# Allegro board RK_EVB7_RK3588_LP4XD200P232SD8_V11_20230111YWQ.brd (continued)
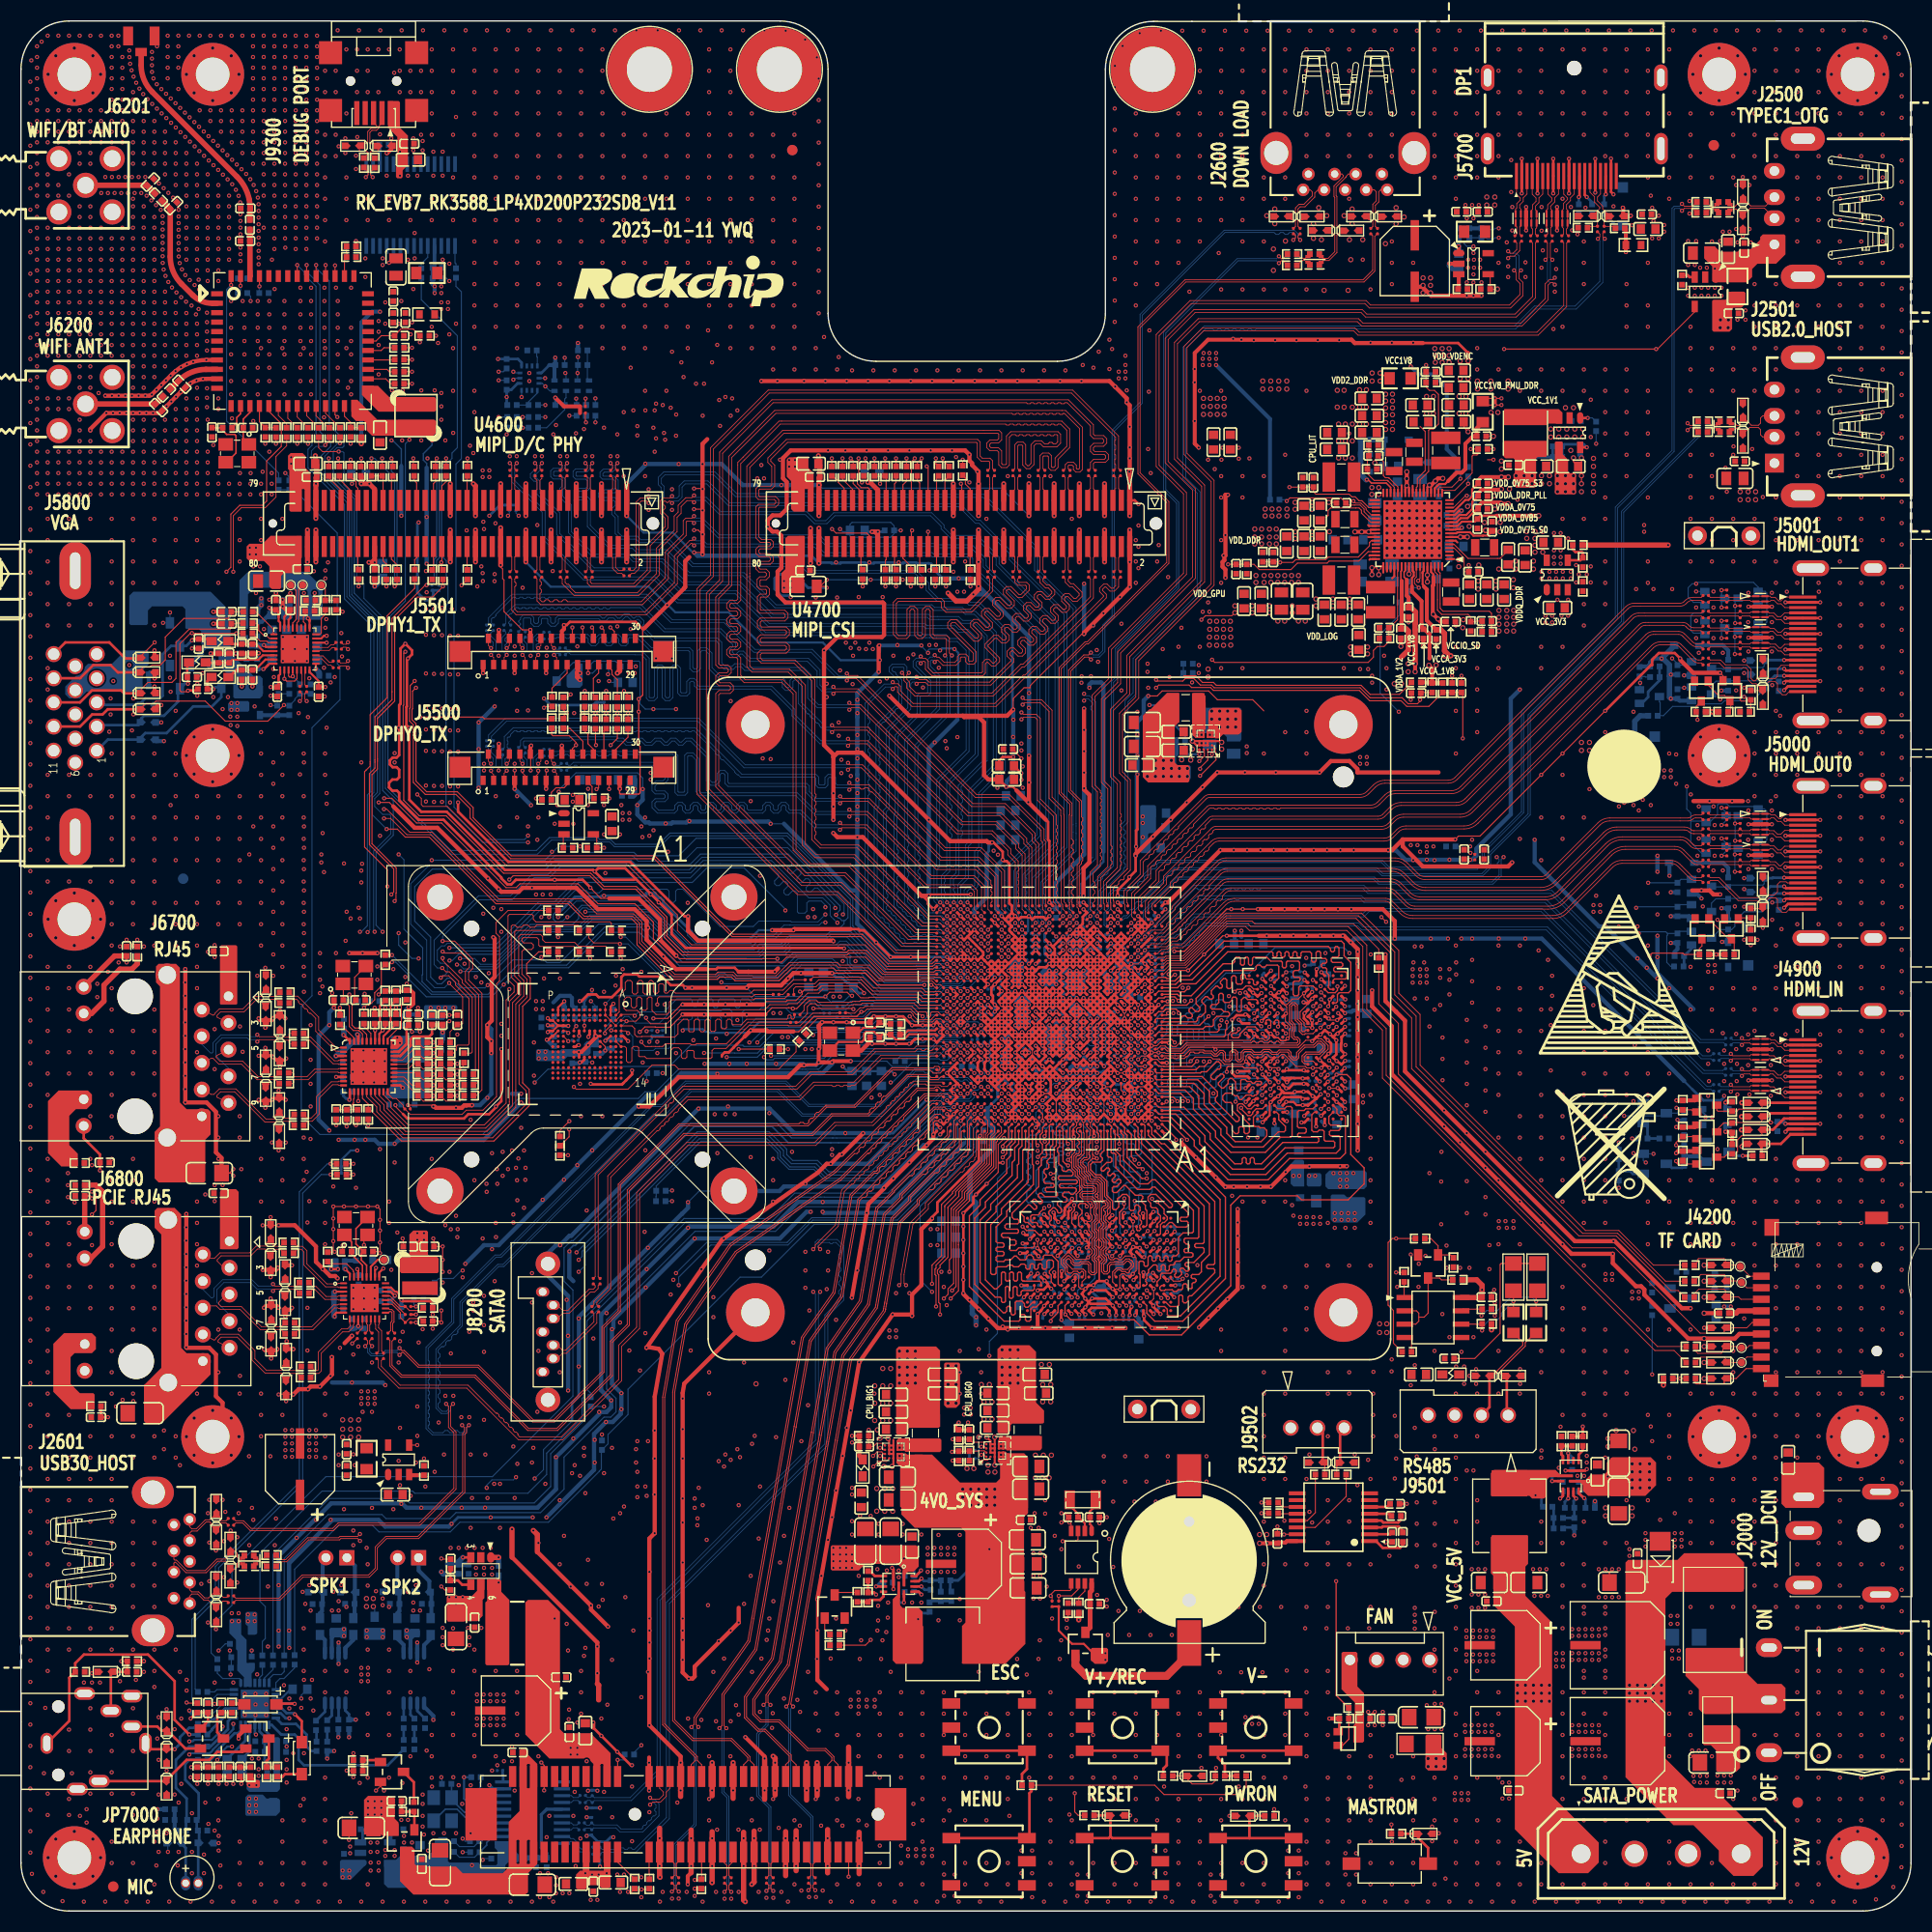
[diagram p0: board, top side]
## Routing (per net, layer and track width the routed paths; a pad name or vN(x,y) marks a point on that pad's centre or on a via; arc(x,y) is an arc through that point) (continued)
VCC1V8_DAC_VDDAC: length 4
  TOP w0.203: U5800.4 23.31,120.39 v1(23.14,120.56)
  BOTTOM w0.381: C5820.1 22.57,120.56 v1(23.14,120.56) 23.84,120.56 C5819.1
  BOTTOM w0.508: FB5801.2 21.77,120.49 C5820.1
VCC1V8_PMU_DDR_S3: length 271.4
  TOP w0.104: R2211.1 130.07,145.96 129.57,146.47 v2(129.44,146.47) ; v1(141,144.06) v1(140.36,144.06) 139.49,144.06 R2210.1 139.58,143.42 v1(140.36,143.42) v1(141,143.42)
  TOP w0.254: U3801.G4 v1(105.26,63.24) ; U3800.F1 v1(116.65,86.15) ; U3801.U12 99.06,57.14 99.06,56.33 v1(99.09,56.3) ; U3800.G4 v1(119.68,85.49) ; U3800.T9 123.37,79.33 v1(123.69,79) ; v1(91.44,81.75) U1000.N28 ; v1(100.1,67.83) 100.1,67.63 99.42,66.94 99.42,66.76 99.39,66.74 99.39,66.27 U3801.U1 ; v1(126.1,78.34) U3800.U12 ; v1(106.12,56.76) 106.25,56.89 U3801.F12 ; v1(105.92,66.31) U3801.F1 ; U3800.F12 125.77,85.83 v1(126.09,85.5) ; U3800.T4 v1(119.76,78.93) ; U3800.U1 116.65,78.36 v1(116.62,78.36) ; v1(99.35,63.16) 99.35,63.18 U3801.T4 ; v1(123.79,85.55) 123.74,85.55 U3800.G9 ; U3801.T9 v1(99.37,59.2) ; v1(91.44,83.7) U1000.R27 ; v1(105.97,59.2) U3801.G9
  TOP w0.381: v1(140.36,143.42) v1(140.36,144.06)
  TOP w0.508: R4203.2 v1(156.42,50.08)
  L3-POWER1 w0.089: 123.98,85.26 123.79,85.45 v1(123.79,85.55)
  L3-POWER1 w0.104: v2(149.38,111.29) v2(148.62,110.53)
  L3-POWER1 w0.508: v1(73.05,83.23) v1(72.49,83.23)
  L3-POWER1 w0.762: v1(72.49,83.23) 72.29,83.02 72.29,81.84 72.67,81.46 72.67,76.11 68.16,71.6 66.89,71.6 65.05,69.76 65.05,63.92 65.68,63.29 65.68,60.49 65.05,59.86 65.05,54.14 66.45,52.75 66.45,44.11 v1(67.08,43.47) v1(67.59,42.97) ; 149.38,113.32 v2(149.38,111.29) v2(149.38,110.53) 149.38,108.12 147.67,106.41 147.67,96.38 146.58,95.29 146.58,78.61 145.95,77.98 145.95,48.81 139.09,41.95 v1(138.33,41.95) v1(137.69,41.95)
  L6-S2 w0.086: v1(91.44,81.75) 91.12,82.08 91.12,82.6 91.08,82.63
  L6-S2 w0.152: 87.66,82.59 87.84,82.77 89.64,82.77
  L6-S2 w0.178: 90.94,82.77 90.76,82.77 90.75,82.78 90.75,82.77 89.65,82.77 ; 87.66,82.59 87.53,82.46
  L6-S2 w0.381: 87.53,82.46 85.62,82.46 84.98,83.11 84.34,83.11 84.11,83.34 80.74,83.34 80.6,83.2 77.11,83.2 76.77,82.85 73.43,82.85 v1(73.05,83.23) v1(72.49,83.23)
  L6-S2 w0.762: v1(156.42,50.08) 154.97,50.08 149.83,44.94 143.6,44.94 140.61,41.95 v1(138.33,41.95) v1(137.69,41.95) 137.57,42.08 95.91,42.08 94.89,41.06 93.19,41.06 93.06,40.94 92.43,40.94 92.43,40.94 91.78,40.94 91.66,41.06 80.54,41.06 80.42,41.19 74.26,41.19 72.99,42.46 68.1,42.46 v1(67.59,42.97) v1(67.08,43.47)
  BOTTOM w0.089: v1(91.44,81.75) 91.12,82.08 91.12,82.59 91.08,82.63 C1107.1
  BOTTOM w0.254: C3802.1 119.65,85.1 119.65,85.46 v1(119.68,85.49) ; v1(116.62,78.36) 116.59,78.4 C3804.1 ; v1(99.37,59.2) 99.59,58.97 C3849.1 ; C3848.1 106.1,66.49 v1(105.92,66.31) ; v1(123.69,79) 123.29,79 C3805.1 ; v1(105.97,59.2) 106.1,59.32 C3851.1 ; v1(126.09,85.5) 126.14,85.5 126.28,85.64 C3803.1 ; v1(126.1,78.34) 126.52,78.34 C3800.1 ; C3850.1 99.35,62.85 v1(99.35,63.16) ; C3845.1 99.4,55.99 v1(99.09,56.3) ; v1(123.79,85.55) 123.69,85.55 C3808.1 ; C3847.1 105.18,63.17 v1(105.26,63.24) ; v1(106.12,56.76) 106.12,57.06 C3853.1 ; v1(100.1,67.83) 99.95,67.68 C3852.1 ; C3807.1 119.76,79.03 v1(119.76,78.93) ; C1112.1 91.45,83.7 v1(91.44,83.7) 91.08,83.34 C1107.1 ; C3806.1 v1(116.65,86.15)
  BOTTOM w0.381: C3801.1 127.85,85.77 126.85,85.77 126.73,85.64 C3803.1 ; v1(106.12,56.76) 106.45,56.42 C3846.1
  vias: v1(127.53,109.9) v1(127.53,109.26) v1(128.17,109.9) v1(128.17,109.26) v2(128.68,146.47) v2(128.68,145.71) v2(129.44,145.71) v2(148.62,111.29)
VCC1V8_RX_AVCC: length 5.2
  TOP w0.203: v1(28.08,118.28) U5800.17 ; v1(29.11,120.79) U5800.22
  L6-S2 w0.508: v1(28.08,118.28) 28.08,119.76 v1(29.11,120.79)
  BOTTOM w0.508: C5818.1 28.4,117.96 v1(28.08,118.28)
VCC1V8_RX_IVDD: length 15.3
  TOP w0.203: 24.54,117.64 24.68,117.79 U5800.9 ; U5800.16 27.48,118 28.35,117.13 C5813.1 ; U5800.30 25.48,122.98 25.65,123.15 25.65,123.71 ; 25.65,123.71 25.53,123.71 25.08,123.27 U5800.31 ; 25.65,123.71 C5814.1
  TOP w0.254: 24.54,117.64 24.54,116.7 C5815.1 v1(23.77,116.57) ; v1(28.98,116.57) C5813.1
  TOP w0.381: C5814.1 25.24,123.92 v1(24.92,124.25) v1(24.92,124.88)
  L6-S2 w0.381: v1(28.98,116.57) v1(23.77,116.57)
VCC3V3_FT232: length 1.8
  BOTTOM w0.305: C9302.1 34.18,168.12 U9300.17
VCC3V3_LCD: length 1.8
  TOP w0.457: v1(53.24,117.26) 52.98,117.52 52.98,117.9 ; v1(53.24,117.9) 52.98,117.9 52.98,117.9 ; 52.98,117.9 53.01,117.92 J5501.19
  vias: v1(52.55,106.29) v1(52.55,105.65)
VCC3V3_PCIE30: length 18.4
  TOP w0.635: U8100.B8 53.82,3.67 v1(53.75,3.6) ; U8100.B10 55.82,3.64
  L6-S2 w0.762: v1(50.83,27.85) 48.42,30.26 43.6,30.26 41.55,32.3 v1(40.03,32.3)
  BOTTOM w0.508: R8120.1 C8126.1 40.23,32.1 v1(40.03,32.3)
  vias: v1(52.35,15.53) v1(52.35,14.9) v1(52.98,15.53) v1(52.98,14.9) v1(54.38,3.47) v1(55.02,3.47) v1(55.78,3.6)
VCC3V3_PHY0: length 16
  TOP w0.254: C6716.1 36.73,84.18 36.73,82.59 36.63,82.49 36.63,82.47 35.99,81.84 35.97,81.84 35.97,81.83 U6700.29 ; R6720.2 36.65,87.61 36.29,87.61 36.28,87.61 R6715.1 R6717.1 ; v1(30.72,83.44) U6700.40 ; U6700.11 31.32,77.31 v1(31.27,77.26) ; R6733.1 v1(30.02,74.83)
  TOP w0.381: C6716.1 C6715.1 36.91,85.95 ; 36.91,85.95 v1(36.91,86.09) ; 36.91,85.95 37.36,86.4 37.36,87.42 37.09,87.69 R6720.2
  BOTTOM w0.254: v1(31.27,77.26) 31.14,77.38 30.94,77.38 30.69,77.64 C6712.1
  BOTTOM w0.381: v1(36.91,86.09) 36.66,85.83 36.66,85.38 C6710.1 36.49,85.2 36.67,85.38 37.73,85.38
  BOTTOM w0.508: C6711.1 30.76,83.48 v1(30.72,83.44)
VCC3V3_PHY1: length 60.9
  TOP w0.203: v1(30.89,61.13) 31.32,60.7 U6800.32 ; U6800.11 v1(32.12,55.71) ; v1(36.22,58.21) 36.19,58.21 35.99,58.41 35.99,58.77 35.77,58.99 35.62,58.99 35.22,59.38 U6800.23 ; R6808.2 v1(37.62,56.81)
  TOP w0.254: R6811.2 39.21,57.83 38.96,58.08 36.35,58.08 v1(36.22,58.21)
  L6-S2 w0.305: 28.22,55.79 28.22,58.96 29,59.74 30.36,59.74 30.89,60.27 v1(30.89,61.13)
  L6-S2 w0.508: v1(30.89,61.13) 31.9,60.11 35.33,60.11 36.35,59.1 36.35,58.33 v1(36.22,58.21) ; v1(32.12,55.71) 32.03,55.79 23.27,55.79 22.56,55.09 22.56,53.64 16.49,47.58 10.98,47.58 9.86,46.45 8.04,46.45 6.07,48.42 J6800.14
  BOTTOM w0.381: 30.91,61.13 v1(30.89,61.13) ; C6812.1 30.89,61.95 R6810.2 ; C6815.1 v1(36.22,58.21) ; C6813.1 31.88,55.47 v1(32.12,55.71) 32.35,55.47 C6814.1
  BOTTOM w0.508: R6810.2 30.83,61.21 30.91,61.13
VCC3V3_PI6C_05: length 14.1
  L3-POWER1 w0.381: v1(42.19,12.74) 43.08,12.74 43.46,12.36 43.46,6.64 42.95,6.14 v1(42.95,4.36)
  BOTTOM w0.203: R8131.1 v1(42.19,12.74) 42.19,10.71 42.47,10.43 R8128.1
  BOTTOM w0.254: R8113.1 R8110.1
VCC3V3_SD_S0: length 3.8
  TOP w0.508: J4200.4 163.57,57.16 163.35,56.94 162.65,56.94 C4202.1
  BOTTOM w0.381: v1(162.84,57.57) v1(162.2,57.57)
VCC3V3_VGA: length 14.6
  TOP w0.203: 24.54,123.23 24.54,122.85 24.68,122.7 U5800.32 ; v1(29.11,121.45) 28.85,121.45 28.59,121.19 U5800.23 ; U5800.8 23.65,118.79 23.52,118.66
  TOP w0.254: 23.52,118.66 23.14,118.28 v1(23.08,118.28) ; v1(23.65,124.12) 23.84,123.92 C5804.1 24.54,123.67 24.54,123.23
  L3-POWER1 w0.508: v1(23.65,124.12) 23.66,124.11
  L6-S2 w0.381: v1(29.11,121.45) 28.22,121.45 27.71,121.96 25.81,121.96 v1(23.65,124.12)
  BOTTOM w0.254: v1(23.08,118.28) 22.56,118.28 C5805.1
  BOTTOM w0.381: v1(23.65,124.12) 23.9,123.87 C5803.1 23.59,123.42 22.94,122.78 R5803.2
VCC4V0_SYS: length 35.1
  TOP w0.089: v2(129.31,127.27) v2(129.31,127.93) 128.71,127.93 128.7,127.93 v2(128.66,127.93)
  TOP w0.203: v2(133.94,126.58) v2(133.94,127.24) U2200.64 ; U2303.E1 113.43,112.72 113.4,112.75 113.03,112.38 U2303.E2 ; U2303.E1 113.8,112.22 113.84,112.18 ; U2303.E1 U2303.D1 ; U2303.E1 U2303.E2 ; v2(129.31,127.93) 129.44,128.06 U2200.52 129.74,127.47 ; U2301.D1 U2301.E1 ; U2301.D1 83.48,42.73 ; U2301.D1 U2301.D2 U2301.E2 ; U2301.E1 U2301.E2 ; U2301.E1 84.32,43.13 ; U2301.E1 83.88,42.75 ; U2200.53 130.09,127.57 ; U2200.28 131.84,135.61 v2(131.98,135.75) 132.19,135.54 U2200.27 ; U2300.E1 U2300.E2 ; U2300.E1 93.54,42.88 ; U2300.E1 93.84,43.26 ; U2300.E1 U2300.D1 ; U2300.E2 U2300.D2 U2300.D1 ; U2300.E2 93.7,43.66 93.88,43.47 94.01,43.47 ; U2301.E2 83.94,43.47 84.23,43.47 84.35,43.35 ; U2200.1 136.48,128.76 ; U2303.D1 113.73,111.82 113.84,111.93 ; U2303.D1 U2303.D2 U2303.E2 ; U2200.43 128.56,131.56 v2(128.35,131.35) 128.49,131.21 U2200.44 ; U2300.D1 93.14,42.86 ; U2200.54 130.44,127.56 ; v2(137.09,130.86) U2200.7 ; U2200.21 134.29,135.65 v2(134.14,135.8) 133.94,135.61 U2200.22
  TOP w0.254: U2000.5 v1(81.44,30.91) ; v2(128.66,127.28) v2(128.66,127.93)
  TOP w0.381: v2(131.98,135.75) v2(131.98,136.41) v2(131.98,137.07) ; v2(134.14,135.8) 134.32,135.8 v2(134.7,136.18) 134.95,136.44 v2(135.41,136.44) ; v2(137.74,130.86) v2(137.09,130.86) ; v2(127.03,131.35) v2(127.69,131.35) v2(128.35,131.35)
  BOTTOM w0.104: v2(129.31,134.91) v2(129.31,135.57)
  BOTTOM w0.254: v1(92.23,34.46) 89.26,31.49 R2005.1 88.5,30.53 C2009.2 ; C2016.1 81.81,31.28 v1(81.44,30.91)
  vias: v1(30.63,3.85) v1(30.63,3.22) v1(31.27,3.85) v1(31.27,3.22) v1(84.48,5.88) v1(84.48,5.25) v1(85.24,5.88) v1(85.24,5.25) v1(86,5.88) v1(86,5.25) v1(86.77,5.88) v1(86.77,5.25) v2(89.69,40.17) v2(89.69,39.41) v2(89.69,38.65) v2(90.45,40.17) v2(90.45,39.41) v2(90.45,38.65) v2(91.21,40.17) v2(91.21,39.41) v2(91.21,38.65) v2(91.97,40.17) v2(91.97,39.41) v2(91.97,38.65) v2(92.74,40.17) v2(92.74,39.41) v2(92.74,38.65) v2(113.4,114.28) v2(113.4,113.52) v2(114.16,114.28) v2(114.16,113.52) v2(114.16,112.75) v2(114.92,114.28) v2(114.92,113.52) v2(114.92,112.75) v2(115.68,114.28) v2(115.68,113.52) v2(115.68,112.75) v2(118.26,145.71) v2(118.26,144.95) v2(119.02,145.71) v2(119.02,144.95) v2(119.79,145.71) v2(119.79,144.95) v2(120.55,145.71) v2(120.55,144.95) v2(128.65,135.57) v2(128.65,134.91) v2(136.93,128.69) v2(136.93,128.03) v2(146.33,136.69) v2(146.33,135.93) v2(146.33,135.17) v2(147.09,136.69) v2(147.09,135.93) v2(147.09,135.17) v2(147.85,136.69) v2(147.85,135.93) v2(147.85,135.17)
VCC5V0_FT232: length 2.3
  BOTTOM w0.305: v1(36.09,167.55) 36.13,167.51 U9300.20 36.13,165.31 v1(36.09,165.27)
VCC5V0_USB20_HOST:
  vias: v1(161.32,156.97) v1(161.32,156.42) v1(161.95,156.97) v1(161.95,156.42) v2(163.73,135.17) v2(163.73,134.41) v2(164.49,135.17) v2(164.49,134.41) v2(165.2,135.17) v2(165.2,134.41)
VCC5V0_USB30_HOST1: length 2.2
  TOP w0.381: U2600.1 v1(136.93,158.54)
  BOTTOM w0.381: R2600.1 v1(136.93,158.54)
  BOTTOM w0.508: v1(136.93,158.54) C2604.1
VCC5V0_VGA: length 2.8
  BOTTOM w0.508: 17.81,120.69 17.17,120.06 17.17,119.7 D5806.2
VCC5V_HDMI_TX0: length 1.9
  TOP w0.254: J5000.18 168.28,95.91 v1(167.92,95.54)
VCC5V_HDMI_TX1: length 1.9
  TOP w0.254: J5001.18 168.28,116.64 v1(167.92,116.27)
VCC5V_HDMIRX_PORT: length 1.8
  TOP w0.3: J4900.18 168.3,74.47 168.05,74.22 v1(168.05,74.21)
VCC12V_DCIN: length 2.7
  TOP w0.203: v1(151.12,41.38) 151.12,41.35 150.89,41.12 C2102.1 ; 135.28,14.52 v2(135.53,14.52)
  BOTTOM w0.254: R2003.2 84.1,34.15 v1(84.1,33.57) ; R2101.2 151.12,41.35 v1(151.12,41.38)
  vias: v1(21.79,129.83) v1(21.79,129.2) v1(22.38,129.83) v1(22.38,129.2) v1(33.05,10.45) v1(33.05,9.82) v1(33.05,9.18) v1(33.68,10.45) v1(33.68,9.82) v1(33.68,9.18) v1(34.32,10.45) v1(34.32,9.82) v1(34.32,9.18) v1(40.79,29.89) v1(40.79,29.25) v1(41.43,29.89) v1(41.43,29.25) v1(42.06,29.89) v1(42.06,29.25) v1(72.67,126.66) v1(72.67,126.02) v1(73.3,126.66) v1(73.3,126.02) v1(77.37,34.58) v1(77.37,33.95) v1(77.37,33.31) v1(77.37,32.68) v1(78,34.58) v1(78,33.95) v1(78,33.31) v1(78,32.68) v1(78.59,34.58) v1(78.59,33.95) v1(78.59,33.31) v1(78.59,32.68) v1(79.02,20.11) v1(79.02,19.47) v1(79.15,33.95) v1(79.15,33.31) v1(79.15,32.68) v1(79.78,20.11) v1(79.78,19.47) v1(80.54,20.11) v1(80.54,19.47) v1(81.31,20.11) v1(81.31,19.47) v2(134.01,14.52) v2(134.01,13.76) v2(134.77,14.52) v2(134.77,13.76) v2(135.53,13.76) v2(153.19,21.5) v2(153.19,20.74) v2(153.19,19.98) v2(153.44,42.59) v2(153.44,41.82) v2(153.44,41.06) v2(153.44,40.3) v2(153.95,21.5) v2(153.95,20.74) v2(153.95,19.98) v2(154.2,42.59) v2(154.2,41.82) v2(154.2,41.06) v2(154.2,40.3) v2(154.71,21.5) v2(154.71,20.74) v2(154.71,19.98) v2(155.09,42.59) v2(155.09,41.82) v2(155.09,41.06) v2(155.09,40.3) v2(155.47,21.5) v2(155.47,20.74) v2(155.47,19.98) v2(156.24,21.5) v2(156.24,20.74) v2(156.24,19.98)
VCC_1V1_NLDO_S3: length 9.8
  TOP w0.203: v1(137.19,133.36) 136.96,133.36 136.56,132.96 U2200.13 ; U2200.9 136.62,131.56 136.67,131.6 136.81,131.6 136.82,131.62 137.06,131.62 137.19,131.74 v1(137.22,131.74)
  BOTTOM w0.254: v2(143.15,136.69) 143.15,137.45 144.17,138.47 C2320.1 R2305.1
  BOTTOM w0.508: v1(137.22,131.74) 136.87,131.74 C2270.1 C2263.1 137.07,133.36 v1(137.19,133.36)
  vias: v2(142.39,136.69) v2(142.39,135.93) v2(143.15,135.93) v2(143.92,136.69) v2(143.92,135.93)
VCC_1V8_S0: length 69.9
  TOP w0.089: 105.42,89.23 U1000.AD6
  TOP w0.152: U2200.58 131.84,127.65 131.72,127.53 131.72,127.04 131.98,126.79
  TOP w0.254: v1(105.09,88.9) U1000.AD7 v1(105.09,89.55) 105.42,89.23 v1(105.09,88.9) ; v1(105.09,88.9) U1000.AC6 105.42,88.58 v1(105.09,88.25) U1000.AC7 v1(105.09,88.9) ; v1(92.74,85.65) U1000.W25 v1(92.74,86.3) 92.42,86.63 U1000.Y26 92.56,86.77 92.56,87.13 U1000.AA26 U1000.AB26 v1(92.74,88.25) U1000.AC25 v1(93.39,88.9) ; v1(95.99,77.85) U1000.G20 v1(95.99,78.5) ; U1000.AJ19 v1(96.64,92.8) U1000.AJ20 ; v1(95.99,78.5) U1000.H20 ; v1(95.99,78.5) 95.67,78.83 U1000.H21 ; U1000.AA7 v1(105.09,87.6)
  TOP w0.381: v2(132.77,118.02) v2(132.77,118.79) ; R5050.2 v1(161.44,91.1) R5019.2 ; R1921.1 R1920.1 51.71,143.3 v1(50.88,144.13) ; C2254.1 132.16,125.08 131.98,125.26 131.98,126.79
  TOP w0.508: R5051.2 v1(161.06,114.21) R5035.2 ; C2254.1 132.17,124.12 132.41,124.12 132.81,123.72 132.81,122.67 132.77,122.63 132.77,122.02 132.77,122.01 v2(132.77,118.79) ; R2311.1 v1(156.87,130.09)
  BOTTOM w0.089: v1(105.09,89.55) 105.1,89.55 ; C1731.1 105.42,89.88 ; v1(105.09,88.25) 105.15,88.25 ; v1(105.09,88.9) 105.1,88.9 ; v1(95.99,77.85) 96,77.85 ; C1301.1 104.75,87.26 v1(105.09,87.6) ; C1732.1 105.42,89.23
  BOTTOM w0.203: R9004.2 v1(50.88,144.13) ; v1(32.03,72.43) 31.39,72.43 30.5,71.54 R1501.1 R1502.1
  BOTTOM w0.254: C1907.1 96.33,78.83 96.33,78.83 96.33,78.82 96.02,78.5 v1(95.99,78.5) ; 39.26,125.77 39.76,125.77 R1904.1 ; 39.26,125.77 39.26,125.25 38.84,124.83 38.48,124.83 38.13,125.19 38.13,125.2 37.74,125.58 37.74,132.12 v1(37.87,132.25) ; 39.26,125.77 R1903.1 ; R9005.1 46.25,143.48 v1(46.25,144.19) C9002.1 46.69,144.88 47.3,145.48 U9000.5 ; U9000.8 47.67,147.46 47.33,147.81 C9003.1 v1(45.43,147.81) ; R1507.1 R1506.1 46.5,133.89 46.13,133.89 46.13,133.89 45.61,133.89 v1(44.6,132.88) ; C1903.1 93.13,89.17 v1(93.39,88.9) 93.24,88.75 C1909.1 93.05,88.56 v1(92.74,88.25) 92.6,88.12 C1617.1 ; C1613.1 96.87,93.03 v1(96.64,92.8) 96.42,93.03 96.32,93.03 96.24,93.1 96.21,93.1 96.2,93.11 C1605.1 ; 96,77.85 C1502.1 96.24,78.2 95.99,78.45 ; 50.32,147.23 49.57,146.48 U9000.12 ; C1621.1 92.53,86.63 92.74,86.42 v1(92.74,86.3) v1(92.74,85.65) 92.53,85.44 C1503.1
  BOTTOM w0.381: CON9000.1 50.81,147.16 C9000.1 ; C9000.1 50.32,147.23 ; C9000.1 v1(50.88,147.94) ; v1(95.99,78.5) 95.99,78.45 ; R4909.1 157.83,75.28 v1(157.76,75.35)
  vias: v1(21.62,28.23) v1(21.62,27.6) v1(22.25,28.23) v1(22.25,27.6) v1(32.41,49.49) v1(32.41,48.85) v1(32.41,48.3) v1(33.05,49.49) v1(33.05,48.85) v1(33.05,48.3) v1(33.68,49.49) v1(33.68,48.85) v1(33.68,48.3) v1(89.81,47.92) v1(89.81,47.28) v1(90.45,47.92) v1(90.45,47.28) v1(132.36,101.51) v1(132.99,101.51) v2(132.11,118.79) v2(132.11,118.02)
VCC_1V8_S3: length 129.4
  TOP w0.102: 133.25,141.39 133.73,140.91 133.73,137.18 132.99,136.43 132.99,135.67 132.89,135.57 U2200.25
  TOP w0.152: U4000.P5 50.89,84.05 U4000.N4 U4000.P3 ; v1(55.65,82.89) 55.7,82.89 56.13,83.32 U4000.C6
  TOP w0.254: U4000.P5 50.28,83.82 v1(50.17,83.71) ; U4000.N4 U4000.M4 52.09,84.32 v1(52.12,84.29) ; U1000.V26 v1(92.11,85.63) ; v1(50.17,85.02) 50.37,84.82 U4000.P3
  TOP w0.457: U4700.61 81.59,135.34 80.88,136.06 v1(80.64,136.06) ; C4604.1 32.41,136.62 v1(32.41,135.93) v1(33.17,135.93) 33.68,135.42 U4600.61
  TOP w0.508: R2410.2 v1(100.74,27.73)
  L3-POWER1 w0.089: 91.85,85.89 91.77,85.98 91.77,87.74 91.33,88.18 91.08,88.18 ; 91.08,88.18 90.7,88.18 90.47,87.94 90.47,85.52 90.66,85.33 90.93,85.33 90.94,85.34 91.08,85.34 ; 91.08,88.18 91.12,88.15 91.12,85.55 91.08,85.51 91.08,85.34 ; v1(92.11,85.63) 91.82,85.34 91.59,85.34 91.58,85.33 91.31,85.33 91.29,85.34 91.08,85.34
  L3-POWER1 w0.203: v1(70.13,136.44) v1(70.76,136.44)
  L3-POWER1 w0.254: 87.79,89.19 87.79,88.73 88.08,88.44 90.44,88.44 90.7,88.18 ; 91.85,85.89 v1(92.11,85.63)
  L4-GND2 w0.203: v1(80.64,136.06) v1(80.09,136.06)
  L6-S2 w0.381: v1(100.74,27.73) 100.74,28.23 99.97,29 98.83,29 98.32,28.49 76.23,28.49 76.23,28.48 75.85,28.48 75.85,28.49 59.97,28.49 48.54,39.92 46.38,39.92 v1(45.62,40.68) v1(45.07,40.68)
  BOTTOM w0.203: R4000.1 52.04,84.21 v1(52.12,84.29)
  BOTTOM w0.254: C1300.1 92.07,85.63 92.1,85.63 92.11,85.63 v1(92.11,85.63) ; v1(50.17,83.71) 50.35,83.71 C4002.1
  BOTTOM w0.381: v1(55.65,82.89) 55.81,83.04 C4000.1 56.36,82.98 R4001.1 ; v1(113.82,147.23) 118.96,142.1 R2215.1 ; R4002.1 52.48,86.23 52.48,86.96 52.27,87.16 51.33,87.16 50.7,86.53 ; R2214.1 136.8,138.22 135.79,139.23 135.79,145.07 134.52,146.34 133.12,146.34 v1(132.36,147.11)
  BOTTOM w0.508: v1(32.41,135.93) 32.47,135.99 33.17,135.99
  vias: v1(40.03,153.2) v1(40.03,152.57) v1(40.67,153.2) v1(40.67,152.57) v1(43.97,137.2) v1(43.97,136.57) v1(44.6,137.2) v1(44.6,136.57) v1(49.05,96.81) v1(49.05,86.66) v1(49.05,85.89) v1(49.68,96.81) v1(49.69,86.66) v1(49.69,85.89) v1(49.81,88.81) v1(50.44,96.81) v1(74.96,94.66) v1(75.44,95.42) v1(75.59,94.66) v1(112.55,147.82) v1(112.55,147.23) v1(112.63,148.38) v1(113.18,148.38) v1(113.18,147.82) v1(113.18,147.23) v1(113.82,148.38) v1(113.82,147.82)
VCC_1V8_S3_PLDO6: length 9.5
  TOP w0.203: 135.92,136.18 135.63,135.9 135.05,135.9 134.88,135.73 134.88,135.73 134.64,135.5 U2200.20
  TOP w0.381: 135.92,136.18 136.72,136.99 137.22,136.99 137.56,137.33 137.56,139.73 138.28,140.45 C2256.1 138.64,141.21 R2210.2
VCC_1V8_VGA: length 1
  TOP w0.203: 27.48,122.85 U5800.25
  TOP w0.254: v1(27.33,123.1) 27.48,122.95 27.48,122.85
VCC_2V0_PLDO_S3: length 7.8
  TOP w0.102: U2200.41 128.54,132.26 127.66,133.14 127.66,133.4 127.44,133.62 127.13,133.62 127.13,133.62 124.72,133.62 124.49,133.39 124.49,132.91 124.33,132.76 124.23,132.76
  TOP w0.152: U2200.59 v2(132.19,127.34)
  BOTTOM w0.381: C2252.1 132.19,128.08 v2(132.19,127.34)
  vias: v2(118.49,133.52) v2(118.49,132.86) v2(119.14,133.52) v2(119.14,132.86) v2(119.8,133.52) v2(119.8,132.86) v2(120.57,133.52) v2(120.57,132.86)
VCC_3V3_S0: length 160.7
  TOP w0.254: U1000.AC26 v1(92.74,88.9) ; R2425.1 125.56,17.19 Q2400.1 ; U1000.W26 v1(92.09,86.3) ; v1(30.18,61.13) v1(29.55,61.13)
  TOP w0.381: R2425.1 v1(124.61,18.33) ; U9502.16 120.56,35.23 120.42,35.09 119.73,35.09 C9514.1 v2(118.64,35.02) v2(117.96,35.02) ; v1(157.63,72.18) 157.83,72.37 R4919.1 159.53,72.37 Q4905.1 ; R8103.1 v1(64.16,2.13) ; v1(152.84,157.99) R5704.1 152.84,160.17 R5703.1 ; Q4904.1 159.4,77.2 R4916.1 v1(157.66,77.2) ; Q4902.1 159.4,74.66 R4913.1 v1(157.65,74.66)
  TOP w0.508: R9508.1 138.64,60.11 139.15,59.6 v1(139.15,59.16) C9510.1 139.12,58.43 U9501.8 ; R9509.1 v1(140.05,55.34)
  L3-POWER1 w0.086: v1(92.74,88.9) 92.42,89.23 91.96,89.23 91.77,89.42 91.77,89.69 91.85,89.76 91.85,90.46 91.72,90.59
  L3-POWER1 w0.089: 91.78,94.18 91.78,93.98 91.85,93.91 91.77,93.83 91.77,91.15
  L3-POWER1 w0.203: v1(64.16,2.13) 64.67,2.64 64.67,7.03 66.32,8.68 66.32,15.03 68.35,17.06 v1(68.35,18.71)
  L3-POWER1 w0.381: v1(152.84,157.99) 156.35,154.48 156.35,119.87 156.62,119.61 ; v1(139.15,59.16) 139.15,58.66 139.73,58.08 139.73,55.67 v1(140.05,55.34)
  L6-S2 w0.381: v1(117.88,18.46) 118.14,18.2 124.49,18.2 v1(124.61,18.33) ; v1(39.72,149.33) 39.9,149.52 52.86,149.52 v1(53.04,149.33)
  L6-S2 w0.508: v1(29.11,112.69) 32.79,112.69 35.59,115.48 v1(49.81,115.48)
  BOTTOM w0.203: v1(161.06,75.61) 160.62,75.61 160.12,76.11 D4901.1 ; 157,99.81 D5002.1
  BOTTOM w0.254: C1908.1 92.51,89.14 v1(92.74,88.9) ; C1902.1 91.77,85.98 v1(92.09,86.3) ; R1901.1 R1900.1 54.73,115.1 54.49,114.85 54.49,114.85 50.44,114.85 v1(49.81,115.48)
  BOTTOM w0.381: Q5007.1 157.96,115.27 R5020.1 v1(157.12,115.47) ; R5022.1 154.21,118.53 R5023.1 155.15,118.91 155.53,119.29 156.24,119.29 v1(156.25,119.28) ; v1(157,98.59) 157,99.81 ; R5038.1 v1(157.12,117.75) ; R5003.1 157.49,91.33 157.76,91.61 R5002.1 v1(157.12,92.2) ; Q5000.1 158.9,94.74 R5000.1 v1(157.12,94.74) ; v1(157.12,97.02) R5017.1
  BOTTOM w0.406: R9003.1 v1(53.04,149.33)
  BOTTOM w0.508: 157,117.62 v1(157.12,117.75) ; 157,117.62 157,115.59 v1(157.12,115.47) ; 157,117.62 157,118.67 156.39,119.28 v1(156.25,119.28) D5007.1 ; v1(22.89,125.01) v1(22.89,124.37) 22.5,123.99 R5803.1
  vias: v1(32.41,23.15) v1(32.41,22.52) v1(32.41,21.88) v1(33.05,23.15) v1(33.05,22.52) v1(33.05,21.88) v1(39.01,86.02) v1(39.78,86.02) v1(40.41,86.02) v1(41.17,86.02) v1(86.51,120.56) v1(87.14,120.58) v1(116.61,18.46) v1(116.61,17.82) v1(117.25,18.46) v1(117.25,17.82) v1(117.88,17.82) v1(145.19,123.36) v1(145.19,122.72) v1(145.82,123.36) v1(145.82,122.72) v1(153.44,58.97) v1(153.44,58.33) v1(154.08,58.97) v1(154.08,58.33) v1(160.43,75.61) v2(117.96,35.85) v2(118.64,35.85) v2(129.39,55.92) v2(129.39,55.09) v2(130.07,55.92) v2(130.07,55.09)
VCC_3V3_S3: length 79.5
  TOP w0.102: U2200.5 136.48,130.16 137.82,128.82 140.87,128.82 141.63,129.58 C2237.1
  TOP w0.203: R2302.1 v1(88.73,42.9) ; D2400.2 101.22,25.44 100.1,25.44 98.83,26.71 R1131.1 R1130.1
  TOP w0.254: U1000.P28 v1(91.44,82.4) ; U4000.E6 v1(54.74,83.32) 54.65,83.4 U4000.F5 ; U4000.J10 53.15,81.78 v1(53.13,81.8) 52.67,81.8 U4000.K9
  TOP w0.381: v1(54.74,83.32) 54.74,83.2 v1(54.01,82.47) 54.01,82.44 53.38,81.82 53.14,81.82 v1(53.13,81.8)
  TOP w0.457: 81.59,131.1 U4700.62 ; 81.59,131.1 81.34,131.36 v1(81.05,131.36) ; 81.59,131.1 81.59,131.35 81.61,131.36 v1(81.6,131.36) ; 33.68,128.69 v1(33.68,128.44) 33.68,127.75 C4606.1 ; 33.68,128.69 U4600.62 ; 33.68,128.69 33.43,128.44 v1(33.13,128.44)
  L3-POWER1 w0.086: 91.12,82.08 91.12,81.89 91.12,81.62 90.93,81.43 88.54,81.43 ; 91.12,82.08 v1(91.44,82.4) ; 91.12,82.08 88.67,82.08 ; 87.78,82.08 88.06,82.08 88.06,82.08 88.67,82.08 ; 88.54,81.43 88.52,81.46 88.52,81.92 88.67,82.08 ; 88.54,81.43 88.36,81.43
  L3-POWER1 w0.381: v1(59.21,80.81) 59.21,81.83 59.84,82.46 v1(59.84,82.78) ; v1(103.28,24.55) 99.34,24.55 94.64,29.25 94.64,40.68 94.13,41.19 91.72,41.19 91.47,41.44 89.31,41.44 88.73,42.02 v1(88.73,42.9)
  L3-POWER1 w0.762: v1(154.58,131.99) v1(154.58,131.36)
  BOTTOM w0.203: v1(49.31,81.83) v1(49.94,81.83) 50.14,81.83 50.53,81.44 50.28,81.2 v1(49.94,81.2) v1(49.31,81.2) ; R1113.1 R1114.1 60.1,83.1 59.84,82.84 v1(59.84,82.78)
  BOTTOM w0.254: v1(88.73,42.9) 90.13,42.9 R1139.1 R1140.1 ; C4707.1 80.48,131.36 v1(81.05,131.36) v1(81.6,131.36) 82.13,131.36 C4706.1 ; C1113.1 91.72,82.69 v1(91.44,82.4)
  BOTTOM w0.356: C9304.1 C9303.1 39.38,156.69 U9300.4
  BOTTOM w0.381: v1(39.4,154.09) v1(39.4,154.73) 39.2,154.92 C9304.1 ; v1(33.68,128.44) v1(33.13,128.44)
  BOTTOM w0.508: v1(33.68,128.44) 33.74,128.38 C4607.1
  vias: v1(40.03,154.73) v1(40.03,154.09) v1(57.3,104.56) v1(57.3,103.93) v1(57.94,104.56) v1(57.94,103.93) v1(74.7,82.08) v1(75.32,82.08) v1(103.28,23.92) v1(104.55,146.6) v1(104.55,145.96) v1(105.18,147.23) v1(105.18,146.6) v1(105.18,145.96) v1(146.2,24.55) v1(146.2,23.92) v1(146.2,23.28) v1(146.84,24.55) v1(146.84,23.92) v1(146.84,23.28) v1(150.9,60.66) v1(150.9,60.1) v1(151.54,60.66) v1(151.54,60.1) v2(143.41,131.38) v2(143.41,130.72) v2(144.19,131.38) v2(144.19,130.72) v2(144.19,130.07) v2(144.19,129.42) v2(144.93,131.38) v2(144.93,129.42)
VCC_5V0: length 13
  TOP w0.104: R2426.1 128.49,18.65 128.8,18.96 v1(128.93,18.96)
  TOP w0.254: C4601.1 26.48,137.69 U4600.79 ; U4600.77 27.28,136.54 C4600.1 ; U2100.5 v1(147.35,43.6)
  BOTTOM w0.104: v2(33.55,29) 33.68,28.87 FB7001.1
  BOTTOM w0.254: v1(147.35,43.6) 147.73,43.22 C2112.1 ; R2103.1 146.97,36.53 C2105.2
  BOTTOM w0.381: Q5002.1 159.53,96.95 v1(160.05,96.43) ; R2103.1 v1(147.93,35.78) ; Q5013.1 v1(158.39,117.68)
  vias: v1(20.03,115.03) v1(20.03,114.4) v1(20.6,115.03) v1(20.6,114.4) v1(25.73,138.45) v1(25.73,137.84) v1(57.76,106.87) v1(57.88,117.9) v1(58.45,117.9) v1(58.45,106.87) v1(58.55,118.53) v1(73.16,138.19) v1(73.16,137.56) v1(73.72,138.19) v1(73.72,137.56) v1(128.3,18.96) v1(128.3,17.69) v1(128.93,17.69) v1(156.49,108.63) v1(156.49,107.99) v1(157.12,108.63) v1(157.12,107.99) v1(160.68,90.08) v1(160.68,89.45) v1(161.32,90.08) v1(161.32,89.45) v2(30.63,46.78) v2(30.63,45.89) v2(30.63,45.13) v2(31.39,46.78) v2(31.39,45.89) v2(31.39,45.13) v2(32.16,46.78) v2(32.16,45.89) v2(32.16,45.13) v2(32.9,29.76) v2(32.9,29) v2(33.55,29.76) v2(139.6,163.24) v2(139.6,162.47) v2(140.36,163.24) v2(140.36,162.47) v2(142.52,21.5) v2(142.52,20.74) v2(142.52,19.98) v2(143.28,21.5) v2(143.28,20.74) v2(143.28,19.98) v2(144.04,21.5) v2(144.04,20.74) v2(144.04,19.98) v2(144.81,21.5) v2(144.81,20.74) v2(144.81,19.98) v2(145.57,21.5) v2(145.57,20.74) v2(145.57,19.98) v2(161.85,151.53) v2(161.82,150.79) v2(162.59,150.79) v2(162.61,151.53)
VCC_RTC: length 4.9
  TOP w0.457: U2400.8 101.97,30.52 101.81,30.37 C2401.1 101.82,29.24 101.82,26.99 D2400.3
VCCA1V8_CODEC: length 17.3
  TOP w0.381: R7019.1 v1(11.71,23.79)
  L6-S2 w0.381: 16.2,23.71 16.41,23.49 16.41,19.47 v1(16.03,19.09) ; 16.2,23.71 16.03,23.54 11.96,23.54 v1(11.71,23.79) ; 16.2,23.71 v1(20.09,27.6) v1(20.73,27.6)
  BOTTOM w0.381: v1(16.03,19.09) 16.28,18.84 R7009.2
VCCA3V3_CODEC: length 15.6
  L3-POWER1 w0.508: v1(12.98,9.69) 15.65,9.69 17.42,11.47 21.23,11.47 v1(21.74,11.98)
  BOTTOM w0.254: C7015.1 24.27,16.17 23.18,17.27 U7000.16